# Altium PCB CPU_CARD.pcbdoc (part 8 of 10)
Units mil, origin at the board's own origin, x right, y up, seen from the top; angles counter-clockwise.
Board outline 12785.46 x 11935.21 mil, 2 copper layers (Top Layer, Bottom Layer); 169 components, 379 nets, 1548 pads, 1023 vias.
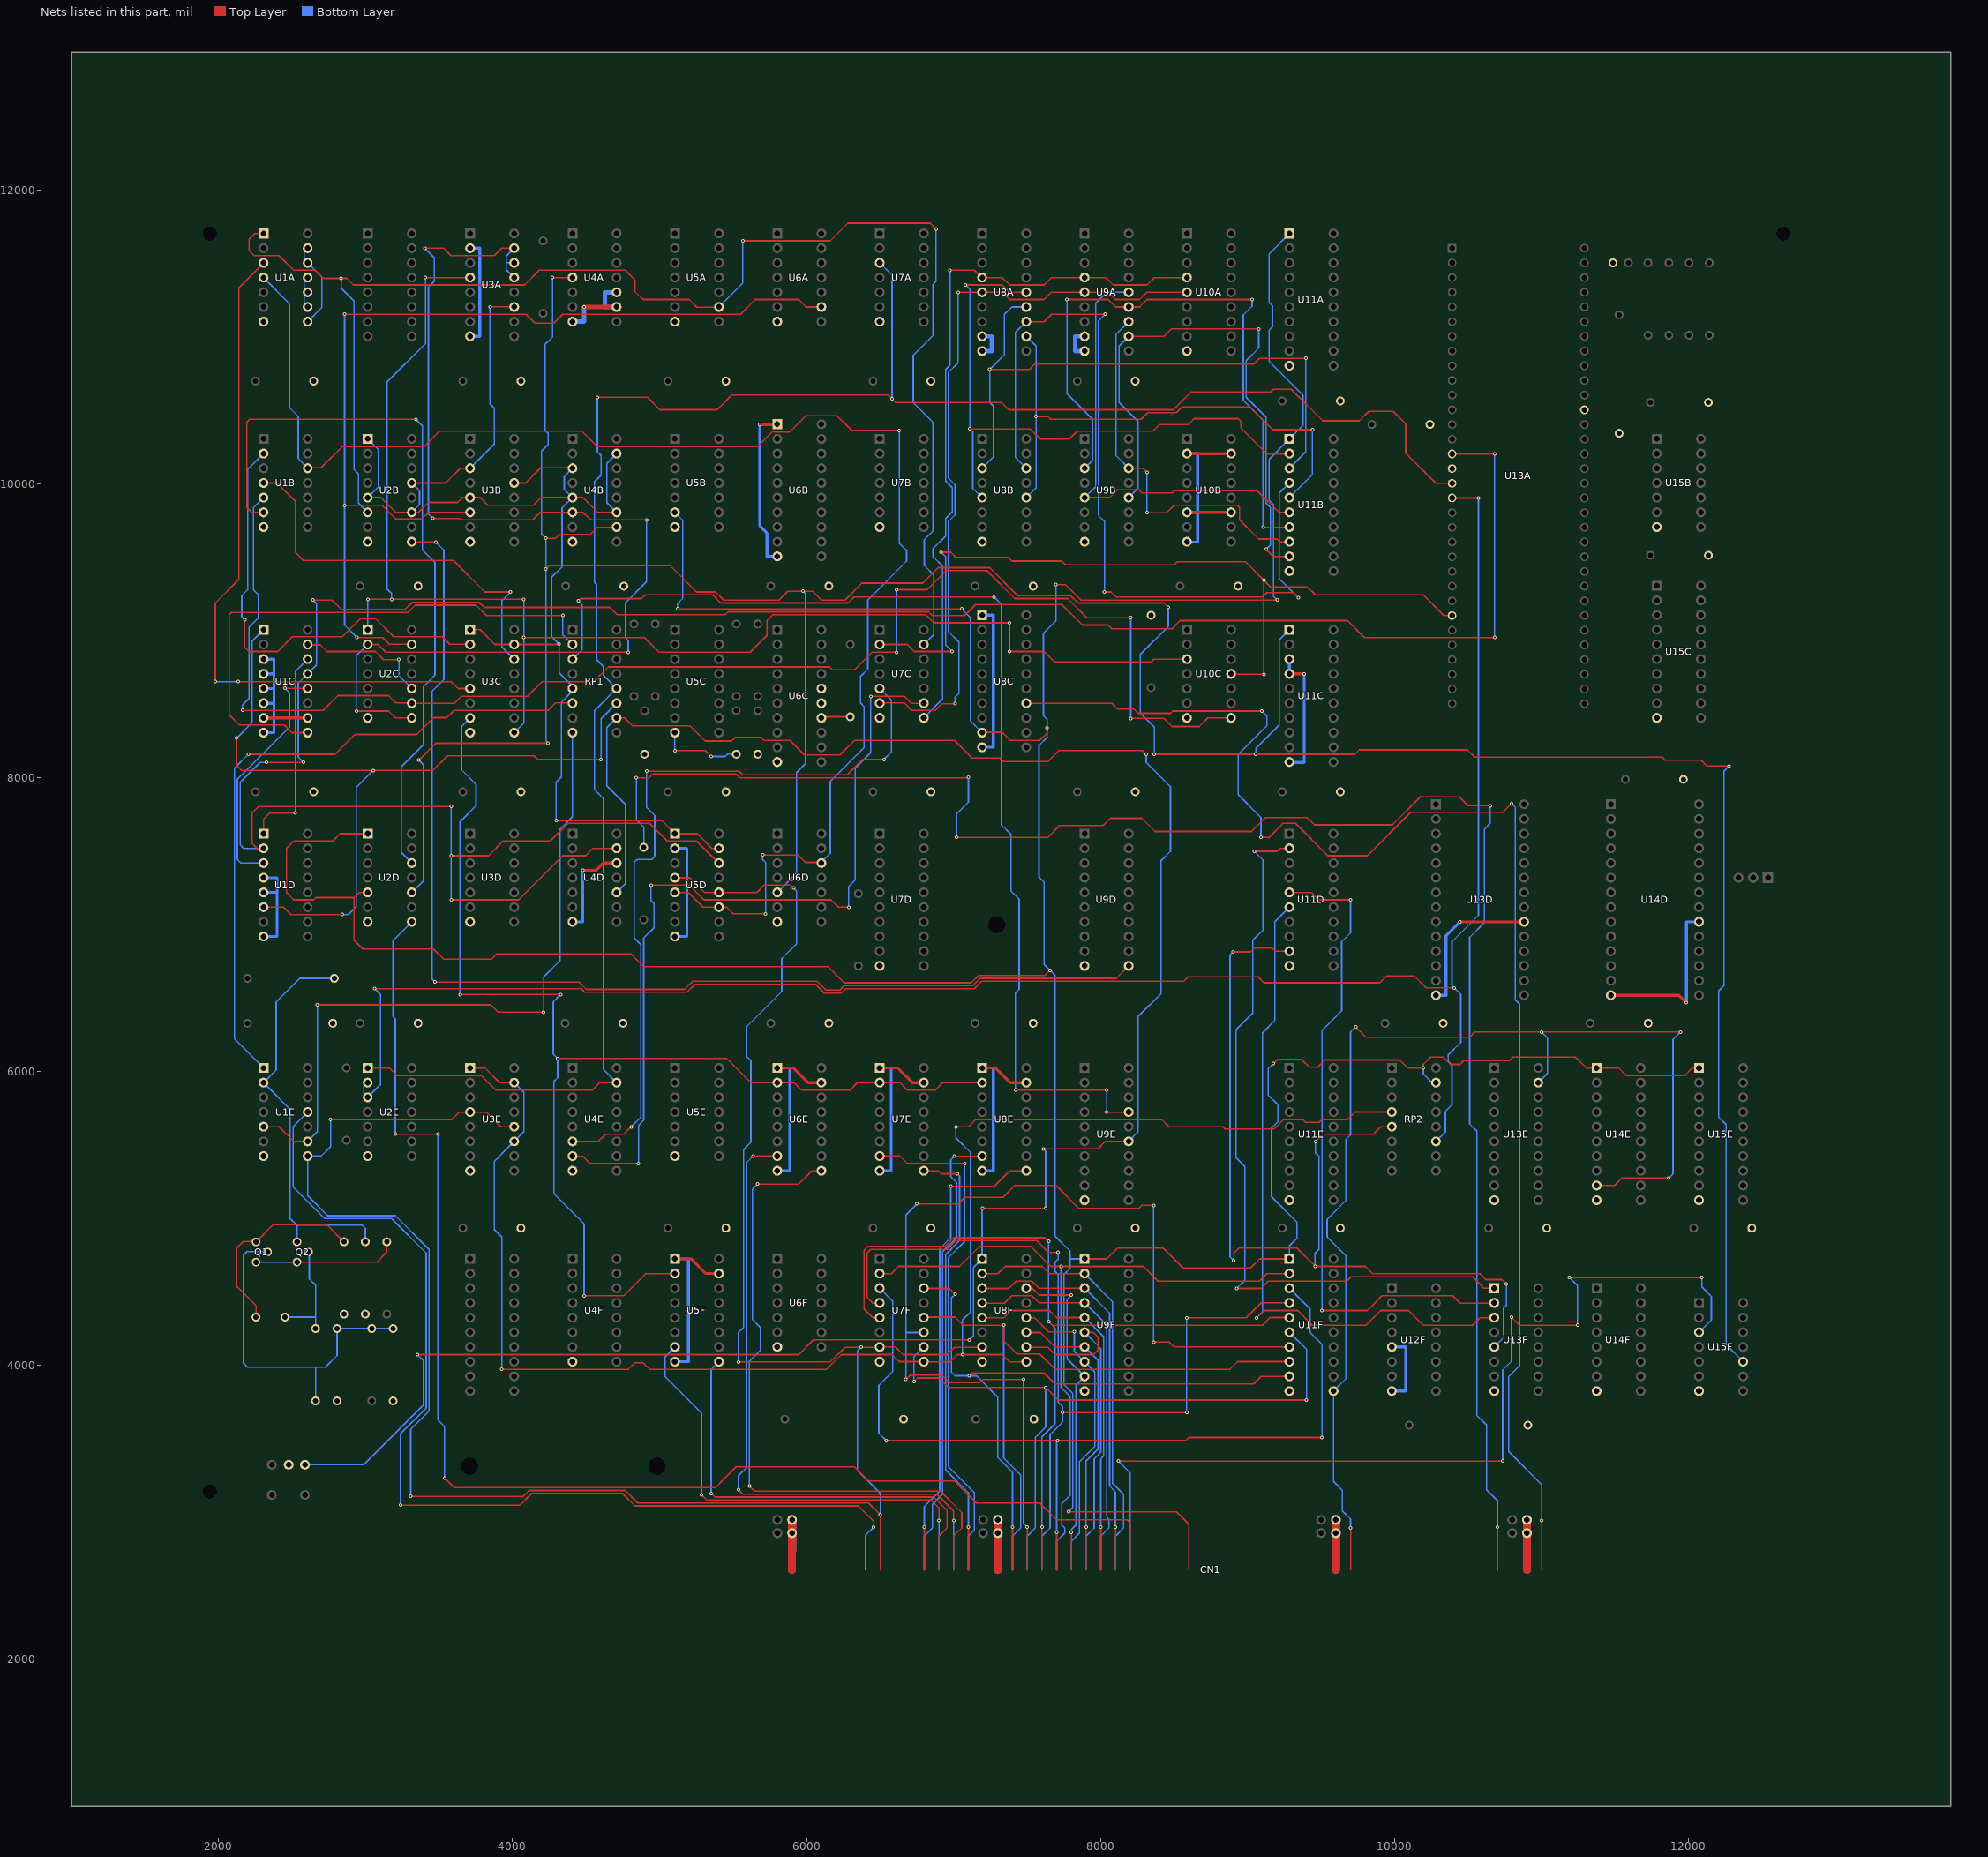
[diagram p8: the nets of this part, all layers, seen from the top]

## Via types
v1: diameter 24, hole 12, Top Layer to Bottom Layer, tented both sides, 1023 vias

## Nets (pads, with @x,y where several pads share a name; then routed paths per layer and width w, separated by ;. In a path a pad name is that pad's centre, name@x,y a point inside that pad or via, vN(x,y) a via of type N, cw(c..) or ccw(c..) an arc to the next point about the centre after c; other vN are vias at no path point) (continued)
BD15: CN1.42 U11F.11 U13E.19 U14E.9 | length 8092.9
  Top Layer w10: v1(9701.7,2892.2) 9701.99,2891.91 9701.99,2607.2 ; v1(9736.7,6302.2) 9806.7,6232.2 10511.7,6232.2 10546.7,6267.2 v1(11946.7,6267.2) ; U14E.9@11376.17,5222.8 11497.3,5222.8 11546.7,5272.2 v1(11866.7,5272.2)
  Bottom Layer w10: v1(9701.7,2892.2) 9701.7,2952.2 9646.7,3007.2 9646.7,3147.2 9585.6,3208.3 U11F.11@9585.62,3823.59 9671.7,3909.7 9671.7,4742.2 9541.7,4872.2 9541.7,4992.2 9671.7,5122.2 9671.7,5537.2 9701.7,5567.2 9701.7,6267.2 v1(9736.7,6302.2) ; U13E.19@10979.32,5922.8 11041.7,5985.2 11041.7,6227.2 v1(11001.7,6267.2) ; v1(11866.7,5272.2) 11895.63,5301.13 11895.63,6216.13 v1(11946.7,6267.2)
CAS: U2C.1 U3A.4 U3C.9 U10C.3 | length 9788.9
  Top Layer w10: v1(3016.7,9212.2) v1(3176.7,9212.2) 3771.7,9212.2 v1(4076.7,9212.2) ; v1(3406.7,11402.2) 3710.5,11402.2 U3A.4@3710.83,11401.93 ; v1(4076.7,8952.2) 4896.7,8952.2 4996.7,8852.2 5616.7,8852.2 5731.7,8967.2 5731.7,9067.2 5771.7,9107.2 6811.7,9107.2 6866.7,9052.2 v1(7381.7,9052.2) ; v1(7381.7,8857.2) 7616.7,8857.2 7686.7,8787.2 8346.7,8787.2 8364.58,8805.08 U10C.3@8588.77,8805.08
  Bottom Layer w10: U2C.1@3013.98,9005.08 3013.98,9209.48 v1(3016.7,9212.2) ; v1(3176.7,9212.2) 3176.7,9252.2 3146.7,9282.2 3146.7,10692.2 3406.7,10952.2 v1(3406.7,11402.2) ; U3C.9@4010.83,8305.08 4076.7,8370.9 v1(4076.7,8952.2) v1(4076.7,9212.2) ; v1(7381.7,8857.2) v1(7381.7,9052.2)
CLR: RP2.4 U3E.1 U3E.11 U3E.15 U7F.9 U8F.9 | length 13741.9
  Top Layer w10: U3E.1@3710.83,6022.81 3811.7,6022.8 3911.7,5922.8 U3E.15@4010.83,5922.81 ; v1(3926.7,3972.2) 4786.7,3972.2 4831.7,4017.2 4886.7,4017.2 4931.7,3972.2 6136.7,3972.2 6236.7,4072.2 6581.7,4072.2 6630.3,4023.6 U7F.9@6798.23,4023.6 ; U7F.9@6798.23,4023.6 6799.63,4022.2 6976.7,4022.2 7026.7,4072.2 v1(7061.7,4072.2) 7331.7,4072.2 7381.7,4022.2 7493.7,4022.2 U8F.9@7495.08,4023.6 ; v1(7016.7,5622.2) 7101.7,5622.2 7151.7,5672.2 8416.7,5672.2 ; 7156.7,5672.2 8416.7,5672.2 ; 8416.7,5672.2 8466.7,5622.2 ; 8416.7,5672.2 8466.7,5622.2 ; 8466.7,5622.2 8831.7,5622.2 ; 8466.7,5622.2 8831.7,5622.2 ; 8831.7,5622.2 8846.7,5607.2 ; 8831.7,5622.2 8846.7,5607.2 ; 8846.7,5607.2 9181.7,5607.2 ; 8846.7,5607.2 9181.7,5607.2 ; 9181.7,5607.2 9246.7,5672.2 ; 9181.7,5607.2 9246.7,5672.2 ; 9246.7,5672.2 9376.7,5672.2 ; 9246.7,5672.2 9376.7,5672.2 ; 9376.7,5672.2 9396.7,5652.2 ; 9376.7,5672.2 9396.7,5652.2 ; 9396.7,5652.2 9486.7,5652.2 ; 9396.7,5652.2 9486.7,5652.2 ; 9486.7,5652.2 9506.7,5672.2 ; 9486.7,5652.2 9506.7,5672.2 ; 9506.7,5672.2 9681.7,5672.2 ; 9506.7,5672.2 9681.7,5672.2 ; 9681.7,5672.2 9732.3,5722.8 ; 9681.7,5672.2 9732.3,5722.8 ; 9732.3,5722.8 RP2.4@9982.48,5722.81 9732.3,5722.8
  Bottom Layer w10: v1(3926.7,3972.2) 3926.7,4872.2 3876.7,4922.2 3876.7,5387.2 3926.7,5437.2 3926.7,5438.7 U3E.11@4010.83,5522.81 ; U3E.11@4010.83,5522.81 4076.7,5588.66 4076.7,5856.94 U3E.15@4010.83,5922.81 ; v1(7016.7,5622.2) 7016.7,5547.2 7116.7,5447.2 7116.7,4362.2 7061.7,4307.2 v1(7061.7,4072.2)
CMUX: U2D.10 U4A.4 U4B.10 U6D.5 U11C.1 U15F.10 | length 22668
  Top Layer w10: v1(3361.7,8117.2) 3476.7,8232.2 v1(4241.7,8232.2) ; v1(4226.7,9417.2) 4251.7,9442.2 5071.7,9442.2 5251.7,9262.2 5381.7,9262.2 5436.7,9207.2 5811.7,9207.2 5871.7,9267.2 v1(5976.7,9267.2) 6041.7,9267.2 6101.7,9207.2 6261.7,9207.2 6376.7,9322.2 6791.7,9322.2 6896.7,9427.2 7246.7,9427.2 7436.7,9237.2 7796.7,9237.2 7846.7,9187.2 8431.7,9187.2 v1(8461.7,9157.2) ; v1(4226.7,9627.2) 4291.7,9627.2 4316.7,9652.2 4526.7,9652.2 4576.7,9702.2 4705.6,9702.2 U4B.10@4707.68,9704.3 ; v1(4271.7,11402.2) 4407.4,11402.2 U4A.4@4407.68,11401.92 ; v1(8366.7,8157.2) v1(9056.7,8157.2) 9731.7,8157.2 9761.7,8187.2 10496.7,8187.2 10546.7,8137.2 11821.7,8137.2 11841.7,8117.2 12086.7,8117.2 12126.7,8077.2 v1(12276.7,8077.2)
  Bottom Layer w10: U2D.10@3313.98,7217.29 3391.7,7295 3391.7,8087.2 v1(3361.7,8117.2) ; v1(4241.7,8232.2) 4226.7,8247.2 v1(4226.7,9417.2) v1(4226.7,9627.2) 4196.7,9657.2 4196.7,10222.2 4241.7,10267.2 4241.7,10342.2 4221.7,10362.2 4221.7,10947.2 4271.7,10997.2 v1(4271.7,11402.2) ; U6D.5@5801.38,7217.29 5931.7,7347.61 5931.7,8032.2 5991.7,8092.2 5991.7,9252.2 v1(5976.7,9267.2) ; v1(8366.7,8157.2) 8366.7,8342.2 8271.7,8437.2 8271.7,8837.2 8461.7,9027.2 v1(8461.7,9157.2) ; v1(9056.7,8157.2) 9056.7,8197.2 9216.7,8357.2 9216.7,8936.2 U11C.1@9285.62,9005.08 ; v1(12276.7,8077.2) 12241.7,8042.2 12241.7,6582.2 12206.7,6547.2 12206.7,5687.2 12256.7,5637.2 12256.7,4139.9 U15F.10@12373.02,4023.59
CPUC1: U1A.1 U2B.6 U5A.9 U7C.13 | length 10270.7
  Top Layer w10: U1A.1@2305.3,11700.9 2245.4,11700.9 2206.7,11662.2 2206.7,11587.2 2241.7,11552.2 2411.7,11552.2 2511.7,11452.2 2656.7,11452.2 2711.7,11397.2 v1(2833.98,11397.2) 2871.7,11397.2 2916.7,11352.2 4081.7,11352.2 4181.7,11452.2 4766.7,11452.2 4831.7,11387.2 4831.7,11307.2 4886.7,11252.2 5201.7,11252.2 5253,11200.9 U5A.9@5404.5,11200.9 ; v1(5566.7,11652.2) 6161.7,11652.2 6281.7,11772.2 6841.7,11772.2 v1(6881.7,11732.2)
  Bottom Layer w10: v1(2833.98,11397.2) 2834,11329.9 2921.7,11242.2 2921.7,10097.2 2951.7,10067.2 2951.7,9866.6 U2B.6@3013.99,9804.29 ; U5A.9@5404.53,11201.92 5566.7,11364.09 v1(5566.7,11652.2) ; U7C.13@6798.23,8905.08 6866.7,8973.6 6866.7,9377.2 6801.7,9442.2 6801.7,9617.2 6861.7,9677.2 6861.7,10417.2 6726.7,10552.2 6726.7,10872.2 6861.7,11007.2 6861.7,11357.2 6881.7,11377.2 v1(6881.7,11732.2)
CPUCK: CN1.22 R10.1 | length 12445.2
  Top Layer w10: v1(4841.7,7997.2) 4926.7,7997.2 4951.7,8022.2 5521.7,8022.2 5546.7,7997.2 7101.7,7997.2 v1(7101.7,8002.2) ; v1(7021.7,7592.2) 7641.7,7592.2 7721.7,7672.2 8016.7,7672.2 8066.7,7722.2 8281.7,7722.2 8371.7,7632.2 9026.7,7632.2 9121.7,7727.2 9406.7,7727.2 9456.7,7677.2 9986.7,7677.2 10176.7,7867.2 10441.7,7867.2 10501.7,7807.2 v1(10651.7,7807.2) ; v1(10701.7,2897.2) 10702.09,2896.81 CN1.22@10702.06,2607.21
  Bottom Layer w10: v1(4841.7,7997.2) 4841.7,7712.2 4891.7,7662.2 4892.72,7662.2 R10.1@4892.72,7524.22 ; v1(7021.7,7592.2) 7021.7,7752.2 7101.7,7832.2 v1(7101.7,8002.2) ; v1(10651.7,7807.2) 10651.7,7687.2 10611.7,7647.2 10611.7,7012.2 10511.7,6912.2 10511.7,5642.2 10561.7,5592.2 10561.7,3657.2 10626.7,3592.2 10626.7,3152.2 10701.7,3077.2 v1(10701.7,2897.2)
DOTCK: CN1.106 U1E.8 U3E.4 U3E.12 U5D.4 U5D.12 U7F.7 U8F.7 | length 15570.2
  Top Layer w10: v1(2761.7,5672.2) 3586.7,5672.2 3636.7,5722.2 U3E.4@3710.83,5722.81 3821.7,5722.2 3921.7,5622.2 U3E.12@4010.83,5622.81 ; v1(3306.7,3107.2) 4071.7,3107.2 4111.7,3147.2 4766.7,3147.2 4851.7,3062.2 6421.7,3062.2 v1(6501.7,2982.2) 6501.65,2982.15 CN1.106@6501.59,2607.22 ; U5D.4@5104.53,7317.29 5206.7,7317.2 5306.6,7217.3 U5D.12@5404.53,7217.29 5661.7,7217.2 5711.7,7267.2 5891.7,7267.2 v1(5911.7,7247.2) ; v1(5536.7,4022.2) 6161.7,4022.2 6261.7,4122.2 v1(6371.7,4122.2) 6496.85,4122.2 U7F.7@6498.23,4123.6 6605.31,4123.59 6656.7,4072.2 6956.7,4072.2 7006.7,4122.2 7193.7,4122.2 U8F.7@7195.08,4123.6
  Bottom Layer w10: v1(2761.7,5672.2) 2761.7,5487.2 2697.3,5422.8 2696.7,5422.8 U1E.8@2605.32,5422.8 2605.3,5153.6 2741.7,5017.2 3201.7,5017.2 3431.7,4787.2 3431.7,3687.2 3306.7,3562.2 v1(3306.7,3107.2) ; v1(5536.7,4022.2) 5536.7,4222.2 5571.7,4257.2 5571.7,5467.2 5621.7,5517.2 5621.7,6072.2 5591.7,6102.2 5591.7,6302.2 5831.7,6542.2 5831.7,6767.2 5931.7,6867.2 5931.7,7227.2 v1(5911.7,7247.2) ; v1(6371.7,4122.2) 6346.7,4097.2 6346.7,3282.2 6501.7,3127.2 v1(6501.7,2982.2)
E: CN1.16 U8C.14 | length 10000.2
  Top Layer w10: U8C.14@7495.07,8505.08 8078.82,8505.08 8116.7,8467.2 8226.7,8467.2 8256.7,8437.2 8476.7,8437.2 8491.7,8452.2 v1(9096.7,8452.2) ; v1(9091.7,7592.2) 9146.7,7592.2 9241.7,7687.2 9326.7,7687.2 9546.7,7467.2 9816.7,7467.2 10111.7,7762.2 10736.7,7762.2 v1(10796.7,7822.2) ; v1(11001.7,2942.2) 11002.12,2941.78 CN1.16@11002.07,2607.23
  Bottom Layer w10: v1(9091.7,7592.2) 9091.7,7727.2 8936.7,7882.2 8936.7,8157.2 9131.7,8352.2 9131.7,8417.2 v1(9096.7,8452.2) ; v1(10796.7,7822.2) 10821.7,7797.2 10821.7,6487.2 10851.7,6457.2 10851.7,3997.2 10776.7,3922.2 10776.7,3412.2 11001.7,3187.2 v1(11001.7,2942.2)
FC2: U7C.2 U10C.11 U13A.26 | length 5754.3
  Top Layer w10: U7C.2@6498.23,8905.08 6686.7,8905.08 6734.58,8857.2 v1(6991.7,8857.2) ; v1(6916.7,9532.2) 6981.7,9532.2 7016.7,9497.2 7371.7,9497.2 7396.7,9472.2 7736.7,9472.2 7761.7,9447.2 8501.7,9447.2 8521.7,9467.2 8986.7,9467.2 v1(9111.7,9342.2) 9156.7,9297.2 9406.7,9297.2 9461.7,9242.2 10196.7,9242.2 10337,9101.9 U13A.26@10392.71,9101.93 ; U10C.11@8888.77,8705.08 8891.65,8702.2 v1(9111.7,8702.2)
  Bottom Layer w10: v1(6916.7,9532.2) 6946.7,9502.2 6946.7,8902.2 v1(6991.7,8857.2) ; v1(9111.7,8702.2) v1(9111.7,9342.2)
GND: C1.2 C2.2 C3.2 C4.2 C5.2 C6.2 C7.2 C8.2 C10.2 C11.2 C12.2 C13.2 C14.2 C15.2 C16.2 C17.2 C18.2 C19.1 C20.2 C21.1 C22.2 C23.2 C24.2 C25.2 C26.2 C27.2 C28.2 C29.2 C30.2 C31.2 C32.2 C33.2 C34.2 C35.2 C36.2 C37.2 C38.2 C39.2 C40.2 C41.2 C42.2 C43.1 CN1.17 CN1.18 CN1.43 CN1.44 CN1.89 CN1.90 CN1.117 CN1.118 L1.2 pad.2 pad.4 pad.10 pad.16 pad.19 R9.1 R13.1 R16.1 U1A.7 U1B.7 U1C.3 U1C.4 U1C.5 U1C.6 U1C.7 U1C.8 U1C.10 U1D.4 U1D.5 U1D.8 U1E.7 U2B.8 U2C.7 U2D.7 U2E.7 U3A.2 U3A.8 U3B.8 U3C.8 U3D.7 U3E.8 U4A.7 U4A.9 U4A.10 U4B.8 U4D.7 U4D.12 U4E.8 U4F.8 U5A.7 U5B.7 U5C.8 U5D.2 U5D.8 U5E.7 U5F.1 U5F.8 U5F.15 U6A.7 U6B.1 U6B.10 U6C.10 U6C.15 U6C.16 U6D.7 U6E.1 U6E.8 U6E.15 U6F.7 U7A.7 U7B.7 U7C.7 U7D.10 U7E.1 U7E.8 U7E.15 U7F.8 U8A.8 U8A.9 U8B.8 U8C.1 U8C.10 U8E.1 U8E.8 U8E.15 U8F.8 U9A.8 U9A.9 U9B.8 U9D.10 U9E.10 U9F.10 U10A.9 U10B.2 U10B.6 U10B.8 U10B.11 U10B.15 U10C.7 U11A.10 U11B.10 U11C.3 U11C.4 U11C.10 U11D.10 U11E.10 U11F.10 U12F.5 U12F.8 U13A.16 U13A.53 U13D.14 U13D.20 U13E.10 U13F.8 U14D.14 U14D.20 U14E.10 U14F.8 U15B.7 U15C.10 U15E.10 U15F.7 | length 20504.8
  Top Layer w10: v1(5104.54,8182.2) 5311.7,8182.2 v1(5351.7,8142.2)
  Top Layer w19.68: U1C.7@2305.33,8405.08 U1C.10@2605.33,8405.08 ; v1(4476.7,7367.2) 4566.7,7367.2 4616.8,7417.3 U4D.12@4707.68,7417.29 ; U5F.1@5104.53,4723.6 5215.3,4723.6 5315.3,4623.6 U5F.15@5404.53,4623.6 ; v1(5681.7,10402.2) 5801.4,10402.2 U6B.1@5801.38,10404.29 ; U6E.1@5801.38,6022.81 5911.1,6022.8 6011.1,5922.8 U6E.15@6101.38,5922.81 ; U7E.1@6498.23,6022.81 6621.1,6022.8 6721.1,5922.8 U7E.15@6798.23,5922.81 ; U8E.1@7195.08,6022.81 7286.1,6022.8 7386.1,5922.8 U8E.15@7495.08,5922.81 ; U10B.6@8588.78,9804.29 U10B.11@8888.78,9804.29 ; U10B.2@8588.78,10204.29 U10B.15@8888.78,10204.29 ; U11C.4@9285.62,8705.08 v1(9386.7,8705.08) ; v1(10446.7,7017.2) U13D.20@10882.47,7017.2 ; U14D.14@11473.02,6517.29 11936.61,6517.29 v1(11986.7,6467.2)
  Top Layer w29.53: v1(4486.7,11201.92) U4A.9@4707.68,11201.92
  Top Layer w55.12: 5901.6,2607.2 pad.4@5901.7,2857.2 pad.2@5901.7,2947.2 ; CN1.90@7301.67,2607.23 pad.4@7301.7,2857.2 pad.2@7301.7,2947.2 ; pad.2@9601.7,2947.2 pad.4@9601.7,2857.2 9602,2607.2 ; pad.2@10901.7,2947.2 pad.4@10901.7,2857.2 CN1.18@10902.07,2607.22
  Bottom Layer w10: v1(5104.54,8182.2) U5C.8@5104.53,8305.08 ; v1(5351.7,8142.2) 5446.7,8142.2 5463.1,8158.6 C43.1@5522.6,8158.63
  Bottom Layer w19.68: U1D.8@2305.33,6917.29 2396.7,6917.3 2396.7,7317.2 U1D.4@2305.33,7317.29 ; U1C.8@2305.33,8305.08 2376.7,8305.1 2376.7,8805.1 U1C.3@2305.33,8805.08 ; U1C.7@2305.33,8405.08 2376.7,8405 ; U1C.6@2305.33,8505.08 2376.7,8505 ; U1C.5@2305.33,8605.08 2376.7,8605.2 ; U1C.4@2305.33,8705.08 2376.7,8705 ; U1D.5@2305.33,7217.29 2396.7,7217.28 ; U3A.8@3710.83,11001.93 3776.4,11001.9 3776.7,11602.2 U3A.2@3710.83,11601.93 ; U4D.7@4407.68,7017.29 4476.7,7017.3 v1(4476.7,7367.2) ; U5F.8@5104.53,4023.6 5196.7,4023.6 5196.7,4723.6 U5F.1@5104.53,4723.6 ; U5D.8@5104.53,6917.29 5186.7,6917.3 5186.7,7517.3 U5D.2@5104.53,7517.29 ; v1(5681.7,10402.2) 5681.7,9712.2 5731.7,9662.2 5731.7,9504.29 U6B.10@5801.38,9504.29 ; U6E.8@5801.38,5322.81 5886.7,5322.8 5886.7,6022.8 U6E.1@5801.38,6022.81 ; U7E.8@6498.23,5322.81 6576.7,5322.8 6576.7,6022.8 U7E.1@6498.23,6022.81 ; U8E.8@7195.08,5322.81 7271.7,5322.8 7271.7,6022.8 U8E.1@7195.08,6022.81 ; U8C.10@7195.07,8205.08 7271.7,8205.1 7271.7,9105.1 U8C.1@7195.07,9105.08 ; U10B.8@8588.78,9604.29 8590.87,9602.2 8661.7,9602.2 8661.7,10204.28 U10B.2@8588.78,10204.29 ; U10B.6@8588.78,9804.29 8661.7,9804.28 ; U11C.10@9285.62,8105.08 9288.5,8102.2 9386.7,8102.2 v1(9386.7,8705.08) ; U11C.4@9285.62,8705.08 U11C.3@9285.62,8805.08 ; U12F.8@9982.48,3823.6 10076.7,3823.6 10076.7,4123.6 U12F.5@9982.48,4123.6 ; U13D.14@10282.47,6517.2 10351.7,6517.2 10351.7,6922.2 v1(10446.7,7017.2) ; v1(11986.7,6467.2) 11986.7,7017.3 U14D.20@12073.02,7017.29
  Bottom Layer w29.53: U4A.7@4407.68,11101.92 4486.7,11101.9 v1(4486.7,11201.92) ; U4A.9@4707.68,11201.92 4626.7,11201.9 4626.7,11301.9 U4A.10@4707.68,11301.92 ; U8A.9@7195.07,10901.92 7261.7,10901.9 7261.7,11001.9 U8A.8@7195.07,11001.92 ; U9A.9@7891.92,10901.92 7826.7,10901.9 7826.7,11001.9 U9A.8@7891.92,11001.92
  Bottom Layer w55.12: 5901.6,2607.2 pad.4@5901.7,2857.2 pad.2@5901.7,2947.2 ; CN1.89@7301.67,2607.25 pad.4@7301.7,2857.2 pad.2@7301.7,2947.2 ; pad.2@9601.7,2947.2 pad.4@9601.7,2857.2 9602,2607.2 ; pad.2@10901.7,2947.2 pad.4@10901.7,2857.2 CN1.17@10902.07,2607.23
IAK: U1B.5 U2C.9 U10C.8 | length 12534.2
  Top Layer w10: v1(2161.7,8457.2) 2711.7,8457.2 2811.7,8557.2 3156.7,8557.2 3206.7,8507.2 3311.86,8507.2 U2C.9@3313.98,8505.08 ; 5916.7,8752.2 4651.7,8752.2 ; v1(6611.7,8852.2) 6446.7,8852.2 6326.7,8732.2 6176.7,8732.2 6156.7,8752.2 4651.7,8752.2 ; v1(6611.7,9277.2) 6821.7,9277.2 6951.7,9407.2 7226.7,9407.2 7416.7,9217.2 7776.7,9217.2 7906.7,9087.2 v1(8206.7,9087.2) ; v1(8206.7,8402.2) 8431.7,8402.2 8486.7,8347.2 8671.7,8347.2 8729.58,8405.08 U10C.8@8888.77,8405.08 ; U2C.9@3313.98,8505.08 3604.58,8505.08 ; U2C.9@3313.98,8505.08 3604.58,8505.08 ; 3604.58,8505.08 3651.7,8552.2 ; 3604.58,8505.08 3651.7,8552.2 ; 3651.7,8552.2 4101.7,8552.2 ; 3651.7,8552.2 4101.7,8552.2 ; 4101.7,8552.2 4201.7,8652.2 ; 4101.7,8552.2 4201.7,8652.2 ; 4201.7,8652.2 4551.7,8652.2 ; 4201.7,8652.2 4551.7,8652.2 ; 4551.7,8652.2 4651.7,8752.2 ; 4551.7,8652.2 4651.7,8752.2
  Bottom Layer w10: v1(2161.7,8457.2) 2161.7,8492.2 2206.7,8537.2 2206.7,9022.2 2271.7,9087.2 2271.7,9242.2 2236.7,9277.2 2236.7,9835.7 U1B.5@2305.32,9904.29 ; v1(6611.7,8852.2) v1(6611.7,9277.2) ; v1(8206.7,8402.2) v1(8206.7,9087.2)
INVID: pad.9 RP1.10 U4D.10 U8F.1 U9E.15 | length 15489.9
  Top Layer w10: v1(3351.7,4072.2) 5946.7,4072.2 6046.7,4172.2 v1(7106.7,4172.2) ; RP1.10@4707.68,8405.08 4761.7,8405.1 4814.6,8352.2 5206.7,8352.2 5311.7,8247.2 5491.7,8247.2 5516.7,8272.2 5691.7,8272.2 5711.7,8252.2 5886.7,8252.2 5986.7,8152.2 6226.7,8152.2 6326.7,8252.2 7006.7,8252.2 7126.7,8132.2 7316.7,8132.2 7341.7,8107.2 7641.7,8107.2 7716.7,8182.2 8286.7,8182.2 v1(8311.7,8157.2) ; v1(7196.7,5067.2) v1(7626.7,5067.2) ; v1(7611.7,5472.2) 7981.7,5472.2 8032.3,5522.8 U9E.15@8191.92,5522.8
  Bottom Layer w10: pad.9@2586.7,3322.2 2986.7,3322.2 3391.7,3727.2 3391.7,4032.2 v1(3351.7,4072.2) ; U4D.10@4707.68,7217.29 4766.7,7276.3 4766.7,7817.2 4641.7,7942.2 4641.7,8339.1 RP1.10@4707.68,8405.08 ; v1(7106.7,4172.2) 7136.7,4202.2 7136.7,4665.23 U8F.1@7195.08,4723.6 7195.07,5065.57 v1(7196.7,5067.2) ; v1(7611.7,5472.2) 7626.7,5457.2 v1(7626.7,5067.2) ; U9E.15@8191.92,5522.8 8256.7,5587.6 8256.7,6372.2 8411.7,6527.2 8411.7,7432.2 8476.7,7497.2 8476.7,7937.2 8311.7,8102.2 v1(8311.7,8157.2)
IOA13: U11D.2 U13F.1 | length 5189.7
  Top Layer w10: v1(8926.7,4522.2) 9091.7,4522.2 9141.7,4572.2 9676.7,4572.2 9706.7,4602.2 10531.7,4602.2 10610.3,4523.6 U13F.1@10679.32,4523.6 ; v1(9046.7,7497.2) 9201.7,7497.2 9221.79,7517.29 U11D.2@9285.62,7517.29
  Bottom Layer w10: v1(8926.7,4522.2) 8981.7,4577.2 8981.7,5352.2 8921.7,5412.2 8921.7,6282.2 9036.7,6397.2 9036.7,6892.2 9106.7,6962.2 9106.7,7437.2 v1(9046.7,7497.2)
IOA14: U11D.5 U13F.2 | length 4547.9
  Top Layer w10: U11D.5@9285.62,7217.29 9436.61,7217.29 9486.7,7167.2 v1(9701.7,7167.2) ; v1(9506.7,4372.2) 9816.7,4372.2 9916.7,4472.2 10396.7,4472.2 10446.7,4422.2 10677.94,4422.2 U13F.2@10679.32,4423.6
  Bottom Layer w10: v1(9506.7,4372.2) 9506.7,6277.2 9641.7,6412.2 9641.7,6882.2 9701.7,6942.2 v1(9701.7,7167.2)
IOA15: U11D.6 U13F.3 | length 4671.7
  Top Layer w10: v1(9061.7,4322.2) 9111.7,4372.2 9341.7,4372.2 9441.7,4272.2 9806.7,4272.2 9906.7,4372.2 10096.7,4372.2 10196.7,4272.2 10531.7,4272.2 10581.7,4322.2 10677.94,4322.2 U13F.3@10679.32,4323.6
  Bottom Layer w10: v1(9061.7,4322.2) 9101.7,4362.2 9101.7,6262.2 9186.7,6347.2 9186.7,7018.4 U11D.6@9285.62,7117.29
IOA16: RP2.5 U11D.9 U13F.5 | length 6849.1
  Top Layer w10: v1(8901.7,6812.2) 9021.7,6812.2 9046.7,6837.2 9171.7,6837.2 9191.61,6817.29 U11D.9@9285.62,6817.29 ; v1(8906.7,4712.2) 8906.7,4762.2 8941.7,4797.2 9336.7,4797.2 9461.7,4672.2 9801.7,4672.2 ; v1(9460.24,4672.2) 9801.7,4672.2 ; v1(9462.77,5522.2) 9512.8,5572.2 9856.7,5572.2 9906.7,5622.2 RP2.5@9982.48,5622.81 ; v1(10761.7,4552.2) 10731.7,4582.2 10726.7,4582.2 10621.7,4582.2 10581.7,4622.2 9851.7,4622.2 ; 9801.7,4672.2 9851.7,4622.2 ; 9801.7,4672.2 9851.7,4622.2
  Bottom Layer w10: v1(8901.7,6812.2) 8881.7,6792.2 8881.7,4737.2 v1(8906.7,4712.2) ; v1(9460.24,4672.2) 9460.2,4760.7 9486.7,4787.2 9486.7,5422.2 9462.77,5446.13 v1(9462.77,5522.2) ; U13F.5@10679.32,4123.6 10741.7,4185.96 10741.7,4387.2 10761.7,4407.2 v1(10761.7,4552.2)
IOCY: U2C.2 U2C.8 U3A.13 U3A.14 U3A.15 U4B.6 | length 7992.3
  Top Layer w10: v1(2936.7,8452.2) 3156.7,8452.2 3203.82,8405.08 U2C.8@3313.98,8405.08 ; U2C.2@3013.98,8905.08 3083.82,8905.08 3136.7,8852.2 v1(4786.7,8852.2) ; v1(3401.7,11602.2) 3531.7,11602.2 3581.7,11552.2 3876.7,11552.2 3926.7,11602.2 U3A.15@4010.83,11601.93 ; v1(3456.7,9762.2) 3636.7,9762.2 3646.7,9752.2 4136.7,9752.2 4188.79,9804.3 U4B.6@4407.68,9804.3 4479.6,9804.3 4531.7,9752.2 v1(4911.7,9752.2)
  Bottom Layer w10: v1(2936.7,8452.2) 2936.7,8827.8 U2C.2@3013.98,8905.08 ; v1(3401.7,11602.2) 3466.7,11537.2 3466.7,11377.2 3426.7,11337.2 3426.7,9792.2 v1(3456.7,9762.2) ; 3956.7,11502.6 U3A.14@4010.83,11501.93 ; U3A.13@4010.83,11401.93 3956.7,11456.06 3956.7,11547.79 U3A.15@4010.83,11601.93 ; v1(4786.7,8852.2) 4786.7,8932.2 4766.7,8952.2 4766.7,9187.2 4911.7,9332.2 v1(4911.7,9752.2)
MALE: U2B.9 U9D.11 | length 8079.7
  Top Layer w10: U2B.9@3313.99,9604.29 3314.62,9604.28 3316.7,9602.2 v1(3476.7,9602.2) ; v1(3471.7,6607.2) 4451.7,6607.2 4501.7,6557.2 5171.7,6557.2 5226.7,6612.2 6071.7,6612.2 6131.7,6552.2 6226.7,6552.2 6256.7,6582.2 7131.7,6582.2 7181.7,6632.2 8106.8,6632.2 U9D.11@8191.92,6717.29
  Bottom Layer w10: v1(3471.7,6607.2) 3451.7,6627.2 3451.7,8587.2 3531.7,8667.2 3531.7,9547.2 v1(3476.7,9602.2)
MD0: CN1.73 U8F.2 U9F.2 | length 2887.1
  Top Layer w10: U8F.2@7195.08,4623.6 7196.48,4622.2 7301.7,4622.2 7351.7,4672.2 7603.09,4672.2 7651.7,4623.59 U9F.2@7891.92,4623.59
  Bottom Layer w10: U9F.2@7891.92,4623.59 7891.9,4622 8081.7,4432.2 8081.7,3197.2 8156.7,3122.2 8156.7,2892.2 8101.82,2837.32 CN1.73@8101.76,2607.24
MD1: CN1.74 U8F.3 U9F.3 | length 2741.6
  Top Layer w10: U8F.3@7195.08,4523.6 7196.48,4522.2 7376.7,4522.2 7426.7,4572.2 7533.09,4572.2 7581.7,4523.59 U9F.3@7891.92,4523.59 ; v1(8101.7,2897.2) 8101.82,2897.08 CN1.74@8101.76,2607.23
  Bottom Layer w10: U9F.3@7891.92,4523.59 8061.7,4353.8 8061.7,3177.2 8101.7,3137.2 v1(8101.7,2897.2)
MD2: CN1.75 U8F.4 U9F.4 | length 2645.7
  Top Layer w10: U8F.4@7195.08,4423.6 7196.48,4422.2 7346.7,4422.2 7396.7,4472.2 7533.09,4472.2 7581.7,4423.59 U9F.4@7891.92,4423.59
  Bottom Layer w10: U9F.4@7891.92,4423.59 8041.7,4273.81 8041.7,2967.2 8056.7,2952.2 8056.7,2892.2 8001.81,2837.31 8001.81,2607.2
MD3: CN1.76 U8F.5 U9F.5 | length 2516.7
  Top Layer w10: U8F.5@7195.08,4323.6 7196.48,4322.2 7341.7,4322.2 7391.7,4372.2 7653.09,4372.2 7701.7,4323.59 U9F.5@7891.92,4323.59 ; v1(8001.7,2897.2) 8001.8,2897.11 8001.8,2607.2
  Bottom Layer w10: U9F.5@7891.92,4323.59 8021.7,4193.81 8021.7,3382.2 8001.7,3362.2 v1(8001.7,2897.2)
MD4: CN1.77 U8F.10 U9F.6 | length 2417.2
  Top Layer w10: U8F.10@7495.08,4123.6 7496.5,4122.2 7641.7,4122.2 7691.7,4072.2 7951.7,4072.2 7981.7,4102.2 7981.7,4192.2 7951.7,4222.2 7951.7,4223.6 U9F.6@7891.92,4223.59
  Bottom Layer w10: U9F.6@7891.92,4223.59 8001.7,4113.81 8001.7,3407.2 7956.7,3362.2 7956.7,2892.2 7901.8,2837.3 7901.8,2607.2
MD5: CN1.78 U8F.11 U9F.7 | length 2025
  Top Layer w10: U8F.11@7495.08,4223.6 7496.5,4222.2 7591.7,4222.2 7690.3,4123.6 U9F.7@7891.92,4123.59 ; v1(7901.7,2897.2) 7901.79,2897.11 7901.79,2607.2
  Bottom Layer w10: U9F.7@7891.92,4123.59 7981.7,4033.8 7981.7,3427.2 7901.7,3347.2 v1(7901.7,2897.2)
MD6: CN1.79 U8F.12 U9F.8 | length 2111.7
  Top Layer w10: U8F.12@7495.08,4323.6 7496.48,4322.2 7551.7,4322.2 7646.7,4227.2 v1(7821.7,4227.2)
  Bottom Layer w10: 7801.78,2607.2 7801.78,2802.28 7856.7,2857.2 7856.7,3342.2 7961.7,3447.2 7961.7,3953.8 U9F.8@7891.92,4023.59 7890.31,4023.59 7821.7,4092.2 v1(7821.7,4227.2)
MD7: CN1.80 U8F.14 U9F.9 | length 2295.4
  Top Layer w10: U8F.14@7495.08,4523.6 7535.31,4523.6 7581.7,4477.2 v1(7801.7,4477.2) ; v1(7801.7,2862.2) 7801.78,2862.12 7801.78,2607.2